# Altium PCB LimeSDR-X3_1v1.PcbDoc (part 2 of 25) (continued)
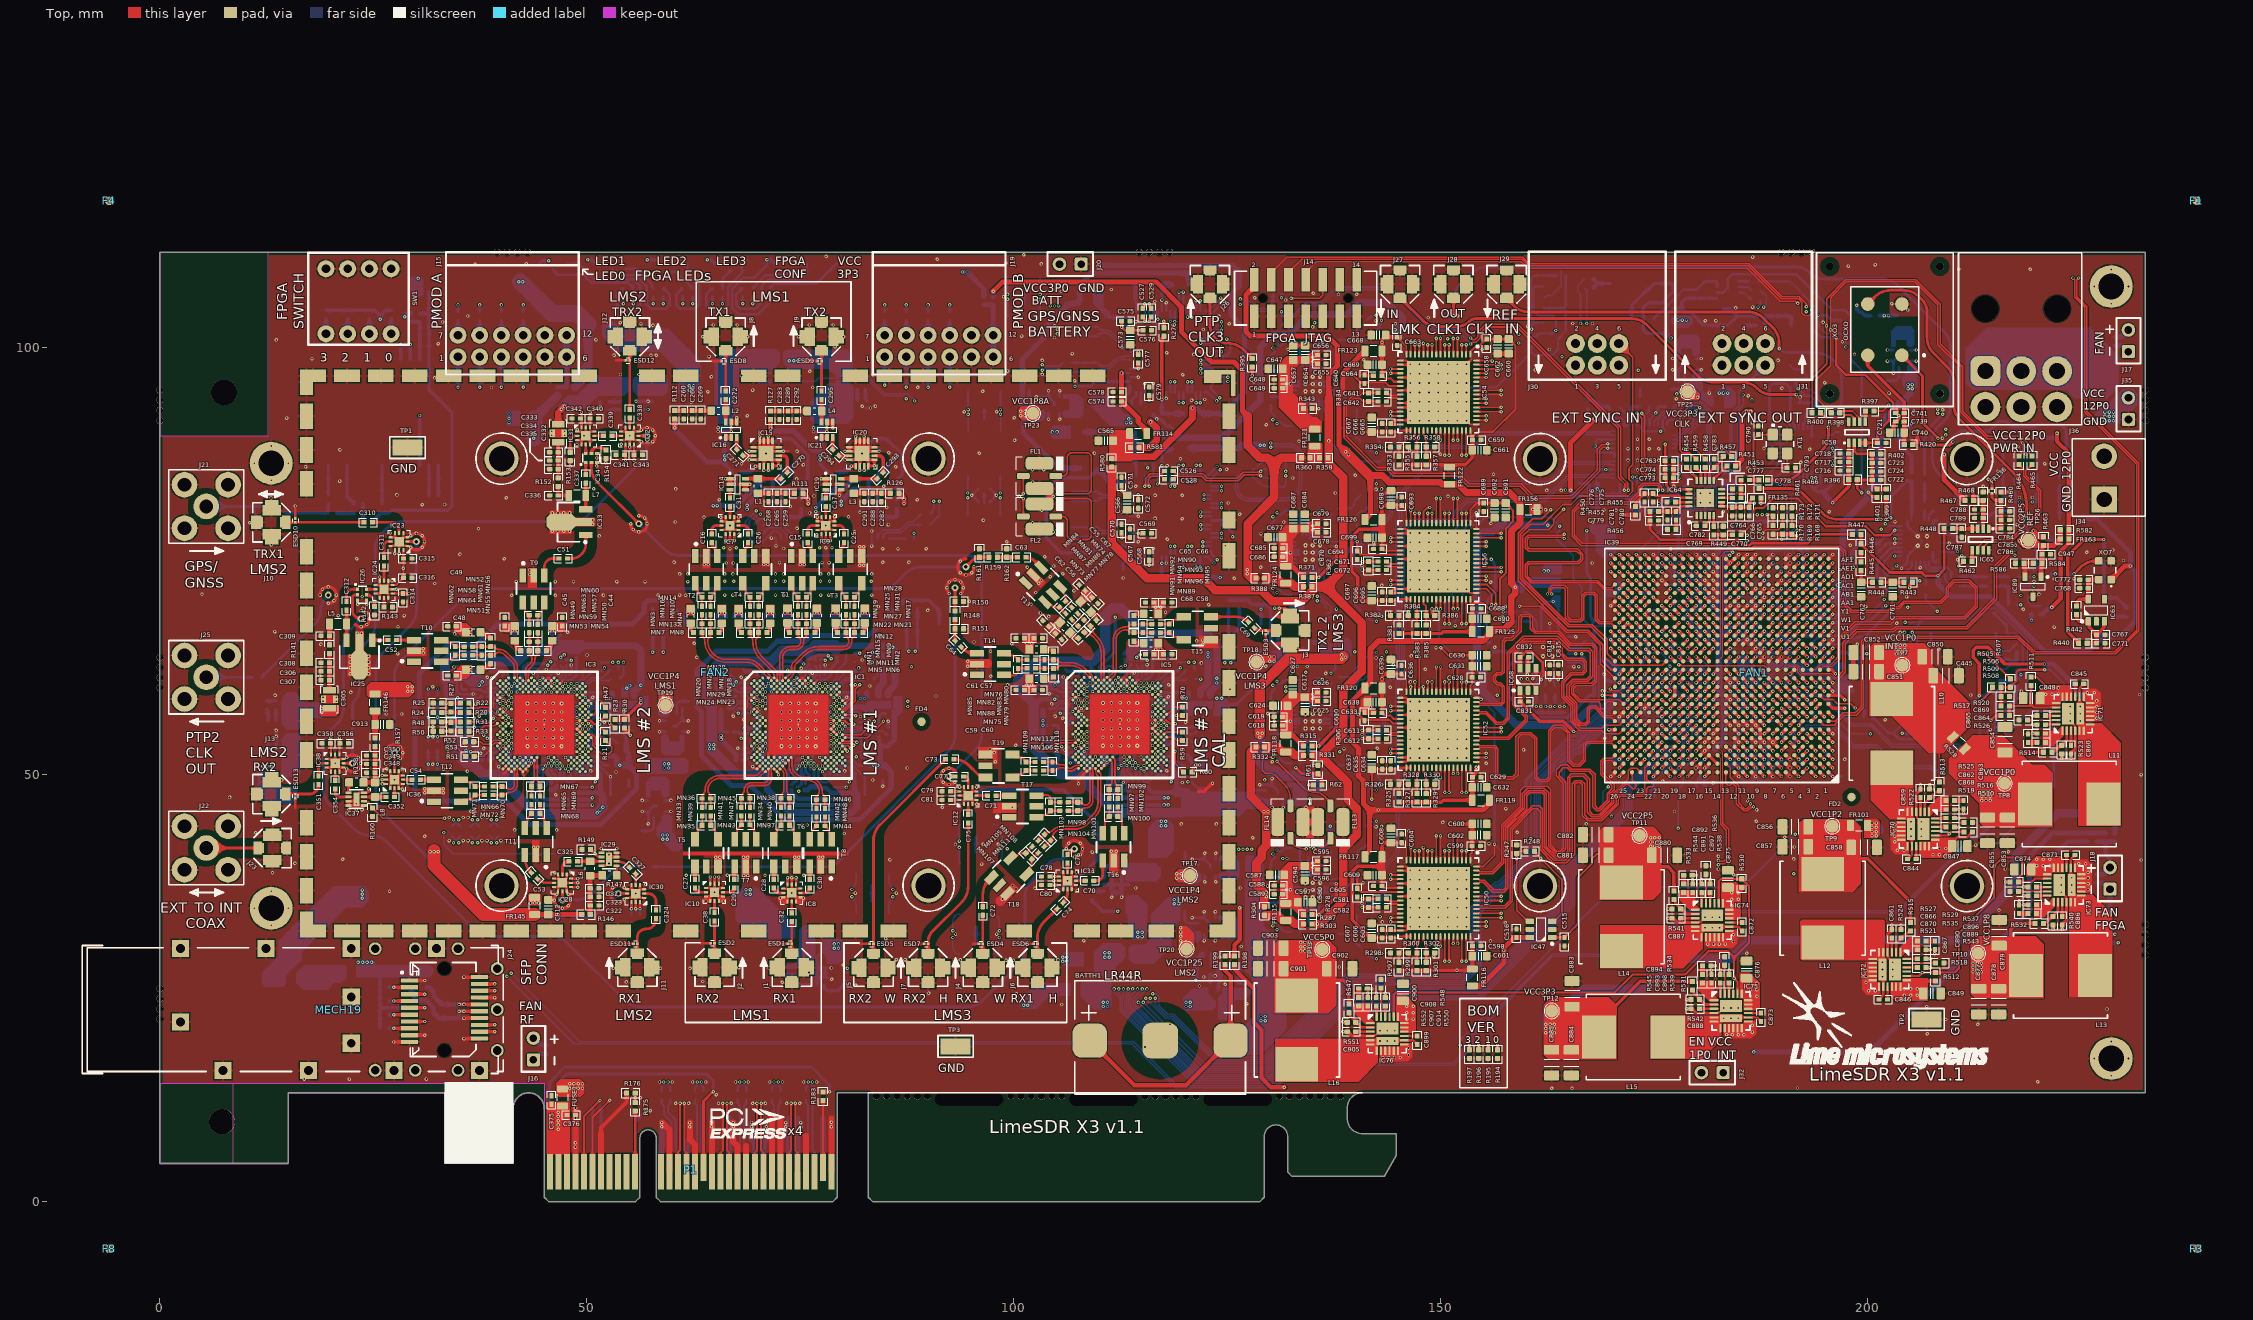
[diagram p0: Top view]
## Components (designator, comment, footprint, x,y, rotation, side; value= is the part's Value field where it differs from the comment) (continued)
C292 "100pF, 50V" CAP0402#2 74.55,92.075 r90 top
C293 "68pF, 25V" CAP0402#2 84.325,85.004 r45 top
C294 "68pF, 25V" CAP0402#2 79.125,87.7 r135 top
C295 "68pF, 25V" CAP0402#2 77.474,94.405 r90 top
C296 "10nF, 50V" CAP0402#1 77.8,86.474 r180 bottom
C297 "1nF, 50V" CAP0402#1 80.278,85.952 r90 bottom
C298 "1uF, 10V" CAP0402#1 82.485,82.404 r0 bottom
C299 "100nF, 16V" CAP0402#1 82.485,81.404 r180 bottom
C300 "2.2pF, 50V" CAP0402#1 82.453,86.452 r180 bottom
C301 "10nF, 50V" CAP0402#1 84.155,88.829 r90 bottom
C302 "100pF, 50V" CAP0402#1 86.8,83.3 r0 bottom
C303 "100nF, 16V" CAP0402#1 84.585,82.119 r0 bottom
C304 "1nF, 50V" CAP0402#1 86.796,80.144 r0 bottom
C305 "470nF, 16V" CAP0805_FEEDTHROUGH 19.854,58.827 r90 top
C306 "1200pF, 50V" CAP0402#2 19.354,62.101 r180 top
C307 "100nF, 16V" CAP0402#2 19.354,61.052 r0 top
C308 "100pF, 50V" CAP0402#2 19.354,63.102 r180 top
C309 "0.018uF, 25V" CAP0402#2 19.354,66.252 r180 top
C310 "100pF, 50V" CAP0402#2 24.397,79.548 r180 top
C311 "100pF, 50V" CAP0402#2 26.229,74.914 r90 top
C312 "100nF, 16V" CAP0402#2 21.854,69.752 r270 top
C313 "10nF, 50V" CAP0402#1 27.504,76.989 r90 bottom
C314 "10nF, 50V" CAP0402#2 28.466,70.707 r270 top
C315 "100pF, 50V" CAP0402#2 29.004,75.314 r180 top
C316 "100pF, 50V" CAP0402#2 29.004,73.039 r180 top
C317 "1uF, 10V" CAP0402#1 14.075,52.554 r0 bottom
C318 "100nF, 16V" CAP0402#1 14.073,58.652 r0 bottom
C319 "2700pF, 50V" CAP0402#1 12.523,58.102 r90 bottom
C320 "100pF, 50V" CAP0402#1 47.8,33.3 r180 bottom
C321 "100pF, 50V" CAP0402#2 50.891,36.682 r0 top
C322 "1uF, 10V" CAP0402#2 50.891,34.682 r180 top
C323 "100pF, 50V" CAP0402#2 50.891,35.682 r0 top
C324 "100pF, 50V" CAP0402#2 58.091,33.657 r270 top
C325 "100pF, 50V" CAP0402#2 48.377,39.851 r0 top
C326 "10nF, 50V" CAP0402#1 47.789,36.826 r180 bottom
C327 "100pF, 50V" CAP0402#2 55.355,38.747 r315 top
C328 "100pF, 50V" CAP0402#1 57.2,39.2 r180 bottom
C329 "10nF, 50V" CAP0402#1 55.209,33.132 r270 bottom
C330 "100pF, 50V" CAP0402#1 47.769,37.826 r0 bottom
C331 "100pF, 50V" CAP0402#1 56.209,33.132 r90 bottom
C332 "470nF, 16V" CAP0805_FEEDTHROUGH 46.636,89.969 r270 top
C333 "100nF, 16V" CAP0402#2 46.136,87.745 r0 top
C334 "1200pF, 50V" CAP0402#2 46.136,86.77 r180 top
C335 "100pF, 50V" CAP0402#2 46.136,85.77 r180 top
C336 "0.018uF, 25V" CAP0402#2 46.136,82.695 r180 top
C337 "100nF, 16V" CAP0402#2 49.861,84.619 r270 top
C338 "100pF, 50V" CAP0402#2 55.011,92.244 r90 top
C339 "100pF, 50V" CAP0402#2 52.436,89.67 r0 top
C340 "10nF, 50V" CAP0402#2 50.861,91.695 r0 top
C341 "10nF, 50V" CAP0402#2 53.911,87.444 r180 top
C342 "100pF, 50V" CAP0402#2 48.761,91.695 r0 top
C343 "100pF, 50V" CAP0402#2 56.011,87.444 r180 top
C344 "1uF, 10V" CAP0402#1 57.658,94.152 r90 bottom
C345 "100nF, 16V" CAP0402#1 51.56,94.15 r90 bottom
C346 "2700pF, 50V" CAP0402#1 52.11,92.6 r180 bottom
C347 "100pF, 50V" CAP0402#1 22.541,56.025 r90 bottom
C348 "100pF, 50V" CAP0402#2 24.691,50.232 r180 top
C349 "1uF, 10V" CAP0402#2 24.691,51.232 r0 top
C350 "100pF, 50V" CAP0402#2 24.691,52.232 r180 top
C351 "100pF, 50V" CAP0402#2 18.575,49.325 r270 top
C352 "100pF, 50V" CAP0402#2 26.966,47.382 r180 top
C353 "10nF, 50V" CAP0402#1 27.176,49.907 r0 bottom
C354 "100pF, 50V" CAP0402#2 20.516,48.807 r90 top
C355 "100pF, 50V" CAP0402#1 27.466,56.025 r270 bottom
C356 "10nF, 50V" CAP0402#2 21.566,53.657 r0 top
C357 "100pF, 50V" CAP0402#1 27.176,48.907 r180 bottom
C358 "100pF, 50V" CAP0402#2 19.466,53.657 r0 top
C359 "100nF, 16V" CAP0402#1 191.65,82.975 r90 bottom
C360 "100nF, 16V" CAP0402#1 192.65,82.975 r90 bottom
C361 "100nF, 16V" CAP0402#1 58.75,12.45 r270 bottom
C362 "100nF, 16V" CAP0402#1 59.75,12.45 r270 bottom
C363 "100nF, 16V" CAP0402#1 76.65,12.45 r90 bottom
C364 "100nF, 16V" CAP0402#1 75.65,12.45 r90 bottom
C365 "100nF, 16V" CAP0402#1 72.65,12.45 r90 bottom
C366 "100nF, 16V" CAP0402#1 71.65,12.45 r90 bottom
C367 "100nF, 16V" CAP0402#1 68.65,12.45 r90 bottom
C368 "100nF, 16V" CAP0402#1 67.65,12.45 r90 bottom
C369 "100nF, 16V" CAP0402#1 63.65,12.45 r90 bottom
C370 "100nF, 16V" CAP0402#1 62.65,12.45 r90 bottom
C371 "100nF, 16V" CAP0402#1 214.509,54.92 r180 bottom
C372 "22nF, 50V" CAP0402#1 48.15,10.3 r0 bottom
C373 "22nF, 50V" CAP0402#1 48.15,11.3 r0 bottom
C374 "22nF, 50V" CAP0402#1 46.55,11.525 r90 bottom
C375 "22nF, 50V" CAP0402#2 45.85,11.9 r90 top
C376 "22nF, 50V" CAP0402#2 48.175,10.15 r0 top
C377 "47uF, 6.3V" CAP1206#1 162.775,23.225 r270 bottom
C378 "4.7uF, 6.3V" CAP0402#1 180.875,69.225 r0 bottom
C379 "100nF, 16V" CAP0402#1 180.875,70.275 r180 bottom
C380 "100nF, 16V" CAP0402#1 186.375,69.775 r90 bottom
C381 "47uF, 6.3V" CAP1206#1 171.375,77.625 r180 bottom
C382 "4.7uF, 6.3V" CAP0402#1 178.375,68.75 r270 bottom
C383 "100nF, 16V" CAP0402#1 177.875,71.3 r0 bottom
C384 "100nF, 16V" CAP0402#1 169.175,75.275 r270 bottom
C385 "100nF, 16V" CAP0402#1 179.375,68.725 r90 bottom
C386 "100nF, 16V" CAP0402#1 172.9,71.25 r180 bottom
C387 "100nF, 16V" CAP0402#1 174.375,74.775 r90 bottom
C388 "100nF, 16V" CAP0402#1 176.375,75.75 r90 bottom
C389 "47uF, 6.3V" CAP1206#1 174.875,46.025 r90 bottom
C390 "4.7uF, 6.3V" CAP0402#1 176.4,53.775 r90 bottom
C391 "100nF, 16V" CAP0402#1 177.375,49.75 r270 bottom
C392 "100nF, 16V" CAP0402#1 175.375,48.884 r0 bottom
C393 "100nF, 16V" CAP0402#1 174.375,53.725 r90 bottom
C394 "100nF, 16V" CAP0402#1 177.4,53.775 r270 bottom
C395 "100nF, 16V" CAP0402#1 180.375,53.8 r270 bottom
C396 "100nF, 16V" CAP0402#1 171.35,50.775 r270 bottom
C397 "47uF, 6.3V" CAP1206#1 198.6,70.725 r180 bottom
C398 "4.7uF, 6.3V" CAP0402#1 189.875,70.325 r0 bottom
C399 "100nF, 16V" CAP0402#1 192.375,71.752 r270 bottom
C400 "100nF, 16V" CAP0402#1 189.875,69.288 r180 bottom
C401 "100nF, 16V" CAP0402#1 194.825,73.288 r180 bottom
C402 "100nF, 16V" CAP0402#1 192.4,65.75 r270 bottom
C403 "100nF, 16V" CAP0402#1 195.4,69.775 r270 bottom
C404 "100nF, 16V" CAP0402#1 192.875,69.288 r0 bottom
C405 "47uF, 6.3V" CAP1206#1 169.575,69.7 r90 bottom
C406 "4.7uF, 6.3V" CAP0402#1 180.875,65.275 r180 bottom
C407 "100nF, 16V" CAP0402#1 180.875,66.3 r0 bottom
C408 "100nF, 16V" CAP0402#1 176.875,66.275 r0 bottom
C409 "100nF, 16V" CAP0402#1 172.875,70.3 r0 bottom
C410 "100nF, 16V" CAP0402#1 172.875,67.275 r180 bottom
C411 "100nF, 16V" CAP0402#1 170.9,65.275 r0 bottom
C412 "100nF, 16V" CAP0402#1 170.375,72.6 r180 bottom
C413 "47uF, 6.3V" CAP1206#1 169.625,62.4 r90 bottom
C414 "4.7uF, 6.3V" CAP0402#1 175.875,65.275 r0 bottom
C415 "100nF, 16V" CAP0402#1 177.875,65.275 r0 bottom
C416 "100nF, 16V" CAP0402#1 171.35,62.8 r90 bottom
C417 "100nF, 16V" CAP0402#1 171.4,57.8 r270 bottom
C418 "100nF, 16V" CAP0402#1 175.9,59.275 r0 bottom
C419 "100nF, 16V" CAP0402#1 172.9,63.05 r180 bottom
C420 "100nF, 16V" CAP0402#1 181,62.95 r45 bottom
C421 "47uF, 6.3V" CAP1206#1 199.6,59.825 r180 bottom
C422 "4.7uF, 6.3V" CAP0402#1 189.9,60.275 r180 bottom
C423 "100nF, 16V" CAP0402#1 196.675,59.375 r270 bottom
C424 "100nF, 16V" CAP0402#1 190.875,66.275 r180 bottom
C425 "100nF, 16V" CAP0402#1 189.9,61.275 r0 bottom
C426 "100nF, 16V" CAP0402#1 191.875,61.275 r0 bottom
C427 "100nF, 16V" CAP0402#1 195.925,64.275 r0 bottom
C428 "100nF, 16V" CAP0402#1 193.9,58.25 r0 bottom
C429 "47uF, 6.3V" CAP1206#1 168.225,51.075 r0 bottom
C430 "4.7uF, 6.3V" CAP0402#1 178.875,61.25 r180 bottom
C431 "100nF, 16V" CAP0402#1 178.875,60.25 r0 bottom
C432 "100nF, 16V" CAP0402#1 170.7,54.775 r0 bottom
C433 "100nF, 16V" CAP0402#1 174.775,56.925 r180 bottom
C434 "100nF, 16V" CAP0402#1 173.375,54.775 r270 bottom
C435 "100nF, 16V" CAP0402#1 182.425,58.175 r270 bottom
C436 "100nF, 16V" CAP0402#1 177.875,58.275 r180 bottom
C437 "47uF, 6.3V" CAP1206#1 198.4,49.775 r180 bottom
C438 "4.7uF, 6.3V" CAP0402#1 190.825,55.275 r180 bottom
C439 "100nF, 16V" CAP0402#1 191.375,64.775 r270 bottom
C440 "100nF, 16V" CAP0402#1 194.875,50.25 r180 bottom
C441 "100nF, 16V" CAP0402#1 193.9,57.25 r0 bottom
C442 "100nF, 16V" CAP0402#1 195.875,52.275 r0 bottom
C443 "100nF, 16V" CAP0402#1 190.825,54.275 r0 bottom
C444 "100nF, 16V" CAP0402#1 192.875,51.25 r0 bottom
C445 "220uF, 4V" CAP1206#2 209.15,61.575 r180 top
C446 "220uF, 4V" CAP1206#1 203.15,61.675 r90 bottom
C447 "47uF, 6.3V" CAP1206#1 181.925,78.6 r270 bottom
C448 "4.7uF, 6.3V" CAP0402#1 184.85,57.285 r180 bottom
C449 "100nF, 16V" CAP0402#1 186.9,59.262 r0 bottom
C450 "100nF, 16V" CAP0402#1 185.85,65.275 r0 bottom
C451 "100nF, 16V" CAP0402#1 187.875,60.3 r0 bottom
C452 "100nF, 16V" CAP0402#1 186.875,58.25 r0 bottom
C453 "100nF, 16V" CAP0402#1 184.375,67.775 r90 bottom
C454 "100nF, 16V" CAP0402#1 184.85,58.25 r0 bottom
C455 "100nF, 16V" CAP0402#1 184.875,59.242 r0 bottom
C456 "100nF, 16V" CAP0402#1 187.85,65.275 r0 bottom
C457 "100nF, 16V" CAP0402#1 186.85,64.275 r180 bottom
C458 "100nF, 16V" CAP0402#1 187.9,61.25 r0 bottom
C459 "100nF, 16V" CAP0402#1 184.875,66.275 r0 bottom
C460 "100nF, 16V" CAP0402#1 187.875,67.25 r0 bottom
C461 "100nF, 16V" CAP0402#1 185.85,67.275 r0 bottom
C462 "47uF, 6.3V" CAP1206#1 198.525,62.8 r180 bottom
C463 "4.7uF, 6.3V" CAP0402#1 190.375,63.775 r270 bottom
C464 "100nF, 16V" CAP0402#1 186.9,66.275 r180 bottom
C465 "100nF, 16V" CAP0402#1 188.875,58.276 r0 bottom
C466 "100nF, 16V" CAP0402#1 188.875,59.275 r0 bottom
C467 "100nF, 16V" CAP0402#1 188.875,66.275 r0 bottom
C468 "100nF, 16V" CAP0402#1 189.4,64.775 r90 bottom
C469 "47uF, 6.3V" CAP1206#1 184.275,78.55 r270 bottom
C470 "47uF, 6.3V" CAP1206#1 182.15,51.391 r90 bottom
C471 "4.7uF, 6.3V" CAP0402#1 185.375,68.775 r90 bottom
C472 "100nF, 16V" CAP0402#1 181.875,67.301 r180 bottom
C473 "100nF, 16V" CAP0402#1 184.375,69.788 r90 bottom
C474 "100nF, 16V" CAP0402#1 183.35,64.775 r90 bottom
C475 "100nF, 16V" CAP0402#1 184.85,64.325 r0 bottom
C476 "4.7uF, 6.3V" CAP0402#1 187.4,52.75 r90 bottom
C477 "100nF, 16V" CAP0402#1 187.9,55.25 r0 bottom
C478 "100nF, 16V" CAP0402#1 188.875,72.288 r0 bottom
C479 "100nF, 16V" CAP0402#1 185.9,71.3 r0 bottom
C480 "100nF, 16V" CAP0402#1 186.4,52.75 r270 bottom
C481 "100nF, 16V" CAP0402#1 185.825,55.275 r0 bottom
C482 "100nF, 16V" CAP0402#1 184.362,54.798 r90 bottom
C483 "100nF, 16V" CAP0402#1 187.4,70.775 r270 bottom
C484 "100nF, 16V" CAP0402#1 188.9,53.25 r0 bottom
C485 "100nF, 16V" CAP0402#1 188.875,52.275 r0 bottom
C486 "100nF, 16V" CAP0402#1 186.875,54.275 r180 bottom
C487 "4.7uF, 6.3V" CAP0402#1 179.875,50.275 r0 bottom
C488 "100nF, 16V" CAP0402#1 185.875,75.25 r180 bottom
C489 "100nF, 16V" CAP0402#1 181.375,73.775 r270 bottom
C490 "100nF, 16V" CAP0402#1 185.375,49.75 r270 bottom
C491 "100nF, 16V" CAP0402#1 187.35,49.75 r270 bottom
C492 "100nF, 16V" CAP0402#1 189.375,50.725 r270 bottom
C493 "100nF, 16V" CAP0402#1 189.375,74.75 r90 bottom
C494 "100nF, 16V" CAP0402#1 179.127,77.007 r90 bottom
C495 "100nF, 16V" CAP0402#1 180.225,77.025 r90 bottom
C496 "100nF, 16V" CAP0402#1 186.375,49.75 r270 bottom
C497 "100nF, 16V" CAP0402#1 201.975,43.6 r0 bottom
C498 "100nF, 16V" CAP0402#1 188.4,49.75 r270 bottom
C499 "100nF, 16V" CAP0402#1 190.375,50.725 r270 bottom
C500 "1uF, 10V" CAP0402#1 183.375,60.775 r270 bottom
C501 "100nF, 16V" CAP0402#1 184.375,60.775 r90 bottom
C502 "100nF, 16V" CAP0402#1 132.014,69.911 r180 bottom
C503 "100nF, 16V" CAP0402#1 47.111,96.4 r180 bottom
C504 "22nF, 50V" CAP0402#1 226.75,37.8 r270 bottom
C505 "22nF, 50V" CAP0402#1 45.314,17.825 r270 bottom
C506 "22nF, 50V" CAP0402#1 228.911,100.748 r270 bottom
C507 "22nF, 50V" CAP0402#1 228.325,41.125 r0 bottom
C508 "100nF, 16V" CAP0402#1 158.489,97.836 r180 bottom
C509 "100nF, 16V" CAP0402#1 97.07,103.97 r180 bottom
C510 "100nF, 16V" CAP0402#1 164.838,104.615 r0 bottom
C511 "22pF, 50V" CAP0402#1 21.725,80.125 r90 bottom
C512 "1uF, 10V" CAP0402#1 32.025,104 r180 bottom
C513 "10uF, 6.3V" CAP0603#1 32.375,105.225 r180 bottom
C514 "100pF, 50V" CAP0402#1 19.7,82.225 r90 bottom
C515 "100nF, 16V" CAP0402#2 164.475,30.425 r90 top
C516 "100nF, 16V" CAP0402#2 158.833,31.422 r90 top
C517 "100nF, 16V" CAP0402#1 29.925,102 r180 bottom
C518 "100nF, 16V" CAP0402#1 32.025,103 r180 bottom
C519 "100pF, 50V" CAP0402#1 32.025,102 r0 bottom
C520 "100pF, 50V" CAP0402#1 108.852,78.402 r90 bottom
C521 "100pF, 50V" CAP0402#1 108.852,97.679 r90 bottom
C522 "100pF, 50V" CAP0402#1 108.852,82.602 r90 bottom
C523 "100pF, 50V" CAP0402#1 108.852,101.877 r90 bottom
C524 "1uF, 10V" CAP0402#1 114.827,73.527 r90 bottom
C525 "1uF, 10V" CAP0402#1 114.827,92.802 r90 bottom
C526 "100nF, 16V" CAP0402#2 118.15,85.564 r0 top
C527 "100nF, 16V" CAP0402#2 115.078,104.103 r90 top
C528 "100nF, 16V" CAP0402#2 118.15,84.577 r0 top
C529 "100nF, 16V" CAP0402#2 116.078,104.103 r90 top
C530 "22uF, 10V" CAP0603#1 122.941,87.401 r90 bottom
C531 "22uF, 10V" CAP0603#1 106.428,86.728 r270 bottom
C532 "22uF, 10V" CAP0603#1 121.354,108.725 r180 bottom
C533 "22uF, 10V" CAP0603#1 106.428,106.003 r270 bottom
C534 "10uF, 16V" CAP0603#1 116.497,88.059 r0 bottom
C535 "1uF, 10V" CAP0402#1 117.927,86.752 r180 bottom
C536 "100nF, 16V" CAP0402#1 124.827,79.752 r180 bottom
C537 "10uF, 16V" CAP0603#1 111.202,85.227 r270 bottom
C538 "1uF, 10V" CAP0402#1 111.352,76.252 r90 bottom
C539 "100nF, 16V" CAP0402#1 112.452,84.752 r270 bottom
C540 "100nF, 16V" CAP0402#1 112.352,76.252 r90 bottom
C541 "10uF, 16V" CAP0603#1 116.534,107.371 r0 bottom
C542 "1uF, 10V" CAP0402#1 117.928,106.022 r180 bottom
C543 "100nF, 16V" CAP0402#1 125.327,98.953 r180 bottom
C544 "10uF, 16V" CAP0603#1 110.302,103.827 r0 bottom
C545 "1uF, 10V" CAP0402#1 111.353,95.528 r90 bottom
C546 "100nF, 16V" CAP0402#1 112.453,104.028 r270 bottom
C547 "100nF, 16V" CAP0402#1 112.366,95.528 r90 bottom
C548 "22uF, 10V" CAP0603#1 110.952,89.252 r90 bottom
C549 "22uF, 10V" CAP0603#1 122.854,72.227 r90 bottom
C550 "22uF, 10V" CAP0603#1 127.225,108.85 r180 bottom
C551 "22uF, 10V" CAP0603#1 123.4,91.415 r90 bottom
C552 "10uF, 16V" CAP0603#1 118.527,72.227 r90 bottom
C553 "1uF, 10V" CAP0402#1 116.827,73.077 r0 bottom
C554 "100nF, 16V" CAP0402#1 116.828,74.078 r0 bottom
C555 "10uF, 16V" CAP0603#1 113.377,88.552 r0 bottom
C556 "1uF, 10V" CAP0402#1 113.727,87.352 r0 bottom
C557 "100nF, 16V" CAP0402#1 113.727,86.352 r0 bottom
C558 "10uF, 16V" CAP0603#1 118.527,91.415 r90 bottom
C559 "1uF, 10V" CAP0402#1 116.802,92.227 r0 bottom
C560 "100nF, 16V" CAP0402#1 116.802,93.302 r0 bottom
C561 "10uF, 16V" CAP0603#1 111.835,106.85 r90 bottom
C562 "1uF, 10V" CAP0402#1 113.727,106.627 r0 bottom
C563 "100nF, 16V" CAP0402#1 113.728,105.627 r0 bottom
C564 "22uF, 10V" CAP0603#1 109.527,89.252 r90 bottom
C565 "22uF, 10V" CAP0603#2 110.75,89.1 r0 top
C566 "10uF, 16V" CAP0603#2 113.25,81.875 r90 top
C567 "1uF, 10V" CAP0402#2 113.6,78.275 r270 top
C568 "100nF, 16V" CAP0402#2 115.828,75.597 r270 top
C569 "100nF, 16V" CAP0402#2 115.622,78.253 r180 top
C570 "100nF, 16V" CAP0402#2 112.603,78.822 r270 top
C571 "100nF, 16V" CAP0402#2 112.603,84.322 r270 top
C572 "100nF, 16V" CAP0402#2 114.553,81.684 r90 top
C573 "10uF, 16V" CAP0603#2 113.625,101.175 r90 top
C574 "1uF, 10V" CAP0402#2 112.106,93.697 r0 top
C575 "100nF, 16V" CAP0402#2 113.103,103.097 r180 top
C576 "100nF, 16V" CAP0402#2 115.622,102.028 r180 top
C577 "100nF, 16V" CAP0402#2 114.553,98.697 r270 top
C578 "100nF, 16V" CAP0402#2 112.1,94.8 r0 top
C579 "100nF, 16V" CAP0402#2 115.828,94.872 r270 top
C580 "100nF, 16V" CAP0402#2 140.2,36.175 r90 top
C581 "100nF, 16V" CAP0402#2 143.134,35.452 r180 top
C582 "100nF, 16V" CAP0402#2 143.134,34.452 r180 top
C583 "100nF, 16V" CAP0402#1 138.825,36.15 r0 bottom
C584 "4.7pF, 50V" CAP0402#1 139.569,30.093 r225 bottom
C585 "22pF, 50V" CAP0402#1 139.781,31.719 r45 bottom
C586 "4.7pF, 50V" CAP0402#1 141.407,31.931 r225 bottom
C587 "10uF, 16V" CAP0603#2 130.8,38.25 r0 top
C588 "100nF, 16V" CAP0402#2 130.975,37.01 r180 top
C589 "100nF, 16V" CAP0402#2 130.975,36.004 r180 top
C590 "100nF, 16V" CAP0402#1 135.725,41.925 r90 bottom
C591 "4.7pF, 50V" CAP0402#1 141.407,41.069 r315 bottom
C592 "22pF, 50V" CAP0402#1 139.781,41.281 r135 bottom
C593 "4.7pF, 50V" CAP0402#1 139.569,42.907 r315 bottom
C594 "10uF, 16V" CAP0603#2 134.075,38.45 r90 top
C595 "100nF, 16V" CAP0402#2 136.05,39.875 r0 top
C596 "100nF, 16V" CAP0402#2 136.05,38.875 r0 top
C597 "22uF, 10V" CAP0603#2 134.1,35.05 r180 top
C598 "100nF, 16V" CAP0402#2 154.175,29.95 r180 top
C599 "100nF, 16V" CAP0402#2 154.15,41.65 r180 top
C600 "22uF, 10V" CAP0603#2 154.5,44.225 r180 top
C601 "22uF, 10V" CAP0603#2 154.525,28.75 r180 top
C602 "10uF, 6.3V" CAP0603#2 154.5,42.925 r0 top
C603 "100nF, 16V" CAP0402#2 144.125,31.375 r270 top
C604 "100nF, 16V" CAP0402#2 145.4,42.525 r270 top
C605 "100nF, 16V" CAP0402#2 142.6,36.95 r0 top
C606 "100nF, 16V" CAP0402#2 143.125,31.375 r270 top
C607 "22uF, 10V" CAP0603#2 141.9,31.725 r270 top
C608 "22uF, 10V" CAP0603#2 144.15,42.875 r270 top
C609 "10uF, 6.3V" CAP0603#2 142.25,38.225 r180 top
C610 "100nF, 16V" CAP0402#2 141.05,56.8 r270 top
C611 "100nF, 16V" CAP0402#2 143.134,55.202 r180 top
C612 "100nF, 16V" CAP0402#2 143.134,54.202 r180 top
C613 "100nF, 16V" CAP0402#1 138.825,55.9 r0 bottom
C614 "4.7pF, 50V" CAP0402#1 139.569,49.843 r225 bottom
C615 "22pF, 50V" CAP0402#1 139.781,51.469 r45 bottom
C616 "4.7pF, 50V" CAP0402#1 141.407,51.681 r225 bottom
C617 "10uF, 16V" CAP0603#2 134.075,58.2 r90 top
C618 "100nF, 16V" CAP0402#2 130.975,55.754 r180 top
C619 "100nF, 16V" CAP0402#2 130.975,56.76 r180 top
C620 "100nF, 16V" CAP0402#1 135.55,61.675 r90 bottom
C621 "4.7pF, 50V" CAP0402#1 141.407,60.819 r315 bottom
C622 "22pF, 50V" CAP0402#1 139.781,61.031 r135 bottom
C623 "4.7pF, 50V" CAP0402#1 139.553,62.642 r315 bottom
C624 "10uF, 16V" CAP0603#2 131.175,58.05 r0 top
C625 "100nF, 16V" CAP0402#2 136.05,58.625 r0 top
C626 "100nF, 16V" CAP0402#2 136.05,59.625 r0 top
C627 "22uF, 10V" CAP0603#2 132.65,60.225 r270 top
C628 "100nF, 16V" CAP0402#2 154.15,61.4 r180 top
C629 "100nF, 16V" CAP0402#2 154.175,49.7 r180 top
C630 "22uF, 10V" CAP0603#2 154.5,63.975 r180 top
C631 "22uF, 10V" CAP0603#2 154.5,62.675 r180 top
C632 "10uF, 6.3V" CAP0603#2 154.525,48.5 r0 top
C633 "100nF, 16V" CAP0402#2 142.6,57.2 r0 top
C634 "100nF, 16V" CAP0402#2 144.125,51.125 r270 top
C635 "100nF, 16V" CAP0402#2 143.125,51.125 r270 top
C636 "100nF, 16V" CAP0402#2 145.375,62.275 r270 top
C637 "22uF, 10V" CAP0603#2 141.9,51.475 r270 top
C638 "22uF, 10V" CAP0603#2 142.25,58.475 r0 top
C639 "10uF, 6.3V" CAP0603#2 144.15,62.625 r90 top
C640 "100nF, 16V" CAP0402#2 141.05,96.3 r270 top
C641 "100nF, 16V" CAP0402#2 143.134,94.702 r180 top
C642 "100nF, 16V" CAP0402#2 143.134,93.702 r180 top
C643 "4.7pF, 50V" CAP0402#1 139.569,89.343 r225 bottom
C644 "100nF, 16V" CAP0402#1 138.825,95.4 r0 bottom
C645 "22pF, 50V" CAP0402#1 139.781,90.969 r45 bottom
C646 "4.7pF, 50V" CAP0402#1 141.407,91.181 r225 bottom
C647 "10uF, 16V" CAP0603#2 130.625,97.525 r0 top
C648 "100nF, 16V" CAP0402#2 130.975,96.26 r180 top
C649 "100nF, 16V" CAP0402#2 130.975,95.254 r180 top
C650 "100nF, 16V" CAP0402#1 135.55,101.175 r90 bottom
C651 "4.7pF, 50V" CAP0402#1 141.399,100.31 r315 bottom
C652 "22pF, 50V" CAP0402#1 139.772,100.522 r135 bottom
C653 "4.7pF, 50V" CAP0402#1 139.56,102.149 r315 bottom
C654 "10uF, 16V" CAP0603#2 134.125,99.4 r270 top
C655 "100nF, 16V" CAP0402#2 136.05,98.125 r0 top
C656 "100nF, 16V" CAP0402#2 136.05,99.125 r0 top
C657 "22uF, 10V" CAP0603#2 132.725,99.4 r270 top
C658 "100nF, 16V" CAP0402#2 155.35,100.5 r90 top
C659 "100nF, 16V" CAP0402#2 154.175,89.2 r180 top
C660 "22uF, 10V" CAP0603#2 157.925,100.15 r90 top
C661 "22uF, 10V" CAP0603#2 154.525,88 r180 top
C662 "10uF, 6.3V" CAP0603#2 156.625,100.15 r270 top
C663 "100nF, 16V" CAP0402#2 144.875,100.725 r90 top
C664 "100nF, 16V" CAP0402#2 142.6,96.7 r0 top
C665 "100nF, 16V" CAP0402#2 144.125,90.625 r270 top
C666 "100nF, 16V" CAP0402#2 143.125,90.625 r270 top
C667 "22uF, 10V" CAP0603#2 141.9,90.975 r270 top
C668 "22uF, 10V" CAP0603#2 142.675,101.475 r0 top
C669 "10uF, 6.3V" CAP0603#2 142.25,97.975 r180 top
C670 "100nF, 16V" CAP0402#2 140.199,75.676 r90 top
C671 "100nF, 16V" CAP0402#2 143.134,74.952 r180 top
C672 "100nF, 16V" CAP0402#2 143.134,73.952 r180 top
C673 "100nF, 16V" CAP0402#1 138.725,76.075 r90 bottom
C674 "4.7pF, 50V" CAP0402#1 139.569,69.593 r225 bottom
C675 "22pF, 50V" CAP0402#1 139.781,71.219 r45 bottom
C676 "4.7pF, 50V" CAP0402#1 141.407,71.431 r225 bottom
C677 "10uF, 16V" CAP0603#2 130.6,77.812 r0 top
C678 "100nF, 16V" CAP0402#2 136.05,78.375 r0 top
C679 "100nF, 16V" CAP0402#2 136.05,79.375 r0 top
C680 "100nF, 16V" CAP0402#1 135.55,81.425 r90 bottom
C681 "4.7pF, 50V" CAP0402#1 141.407,80.569 r315 bottom
C682 "22pF, 50V" CAP0402#1 139.781,80.781 r135 bottom
C683 "4.7pF, 50V" CAP0402#1 139.569,82.407 r315 bottom
C684 "10uF, 16V" CAP0603#2 134.075,79.65 r270 top
C685 "100nF, 16V" CAP0402#2 130.975,76.51 r180 top
C686 "100nF, 16V" CAP0402#2 130.975,75.504 r180 top
C687 "22uF, 10V" CAP0603#2 132.7,79.65 r270 top
C688 "100nF, 16V" CAP0402#2 154.175,69.45 r180 top
C689 "100nF, 16V" CAP0402#2 155,81.3 r90 top
C690 "22uF, 10V" CAP0603#2 154.525,68.25 r180 top
C691 "22uF, 10V" CAP0603#2 157.575,80.95 r90 top
C692 "10uF, 6.3V" CAP0603#2 156.275,80.95 r270 top
C693 "100nF, 16V" CAP0402#2 145.4,82.025 r270 top
C694 "100nF, 16V" CAP0402#2 142.6,76.425 r0 top
C695 "100nF, 16V" CAP0402#2 144.125,70.875 r270 top
C696 "100nF, 16V" CAP0402#2 143.125,70.875 r270 top
C697 "22uF, 10V" CAP0603#2 141.9,71.225 r270 top
C698 "22uF, 10V" CAP0603#2 144.15,82.375 r270 top
C699 "10uF, 6.3V" CAP0603#2 142.25,77.725 r180 top
C700 "100nF, 16V" CAP0402#1 27.7,27.625 r270 bottom
C701 "1uF, 10V" CAP0402#1 26.45,27.625 r270 bottom
C702 "1uF, 10V" CAP0402#1 33.875,20.975 r90 bottom
C703 "100nF, 16V" CAP0402#1 35.022,20.975 r90 bottom
C704 "22uF, 10V" CAP0603#1 32.675,20.65 r90 bottom
C705 "100nF, 16V" CAP0402#1 34.35,23.591 r270 bottom
C706 "22uF, 10V" CAP0603#1 33.1,23.925 r270 bottom
C707 "22uF, 10V" CAP0603#1 18,28.05 r270 bottom
C708 "22uF, 10V" CAP0603#1 19.6,28.05 r270 bottom
C709 "22uF, 10V" CAP0603#1 12.95,25.15 r90 bottom
C710 "22uF, 10V" CAP0603#1 22.775,34.15 r90 bottom
C711 "100nF, 16V" CAP0402#1 190.65,83.475 r90 bottom
C712 "100nF, 16V" CAP0402#1 193.2,93.025 r270 bottom
C713 "100nF, 16V" CAP0402#1 188.55,84.225 r0 bottom
C714 "100nF, 16V" CAP0402#1 197.25,87.975 r180 bottom
C715 "100nF, 16V" CAP0402#1 193.7,82.975 r90 bottom
C716 "1uF, 10V" CAP0402#2 197.25,85.61 r0 top
C717 "100nF, 16V" CAP0402#2 197.25,86.61 r180 top
C718 "100pF, 50V" CAP0402#2 197.25,87.61 r180 top
C719 "100nF, 16V" CAP0402#1 187.975,91.8 r0 bottom
C720 "1uF, 10V" CAP0402#1 190.425,94.65 r0 bottom
C721 "1nF, 50V" CAP0402#2 201.6,88.839 r0 top
C722 "1uF, 10V" CAP0402#2 201,84.5 r180 top
C723 "100nF, 16V" CAP0402#2 201,86.5 r0 top
C724 "100nF, 16V" CAP0402#2 201,85.5 r0 top
C725 "100nF, 16V" CAP0402#1 181.575,103.102 r270 bottom
C726 "100nF, 16V" CAP0402#1 192.775,95.6 r90 bottom
C727 "1uF, 10V" CAP0402#1 189.025,104.2 r270 bottom
C728 "100nF, 16V" CAP0402#1 190.025,104.2 r270 bottom
C729 "10nF, 50V" CAP0402#1 191.025,104.2 r90 bottom
C730 "1uF, 10V" CAP0402#1 179.096,105.3 r90 bottom
C731 "100nF, 16V" CAP0402#1 180.096,105.3 r270 bottom
C732 "100pF, 50V" CAP0402#1 181.096,105.3 r270 bottom
C733 "22uF, 10V" CAP0603#1 191.9,92.675 r90 bottom
C734 "22uF, 10V" CAP0603#1 190,92.675 r270 bottom
C735 "100nF, 16V" CAP0402#1 177.725,107.5 r180 bottom
C736 "1nF, 50V" CAP0402#1 180.925,108.25 r90 bottom
C737 "100nF, 16V" CAP0402#1 206.625,84.65 r90 bottom
C738 "100nF, 16V" CAP0402#1 206.625,81.45 r90 bottom
C739 "100nF, 16V" CAP0402#2 203.75,91.35 r0 top
C740 "10uF, 16V" CAP0603#2 203.4,90.05 r0 top
C741 "100pF, 50V" CAP0402#2 203.75,92.35 r180 top
C742 "100nF, 16V" CAP0402#1 208.175,80.9 r180 bottom
C743 "100nF, 16V" CAP0402#1 214.55,72.075 r0 bottom
C744 "100nF, 16V" CAP0402#1 210.25,72.075 r0 bottom
C745 "100nF, 16V" CAP0402#1 214.55,73.175 r0 bottom
C746 "100nF, 16V" CAP0402#1 210.25,73.175 r0 bottom
C747 "100nF, 16V" CAP0402#1 228.126,72.849 r180 bottom
C748 "1uF, 10V" CAP0402#1 228.126,73.996 r180 bottom
C749 "2.2uF, 16V" CAP0402#1 204.616,82.9 r0 bottom
C750 "100nF, 16V" CAP0402#1 204.616,81.9 r0 bottom
C751 "100pF, 50V" CAP0402#1 204.616,80.9 r0 bottom
C752 "100pF, 50V" CAP0402#1 210,77.6 r90 bottom
C753 "100pF, 50V" CAP0402#1 210,75.5 r90 bottom
C754 "2.2uF, 16V" CAP0402#1 200.209,76.6 r90 bottom
C755 "100nF, 16V" CAP0402#1 201.225,76.6 r90 bottom
C756 "100pF, 50V" CAP0402#1 202.725,73.35 r180 bottom
C757 "100pF, 50V" CAP0402#1 202.225,77.6 r90 bottom
C758 "1uF, 10V" CAP0402#1 222.936,82.71 r180 bottom
C759 "100nF, 16V" CAP0402#1 222.936,81.71 r180 bottom
C760 "18nF, 16V" CAP0402#1 220.875,76.95 r90 bottom
C761 "10uF, 6.3V" CAP0603#2 202.9,71.675 r270 top
C762 "10uF, 6.3V" CAP0603#2 199.2,71.675 r270 top
C763 "100nF, 16V" CAP0402#2 176.75,86.75 r180 top
C764 "100nF, 16V" CAP0402#2 184.1,80.8 r90 top
C765 "100pF, 50V" CAP0402#2 186.1,80.8 r270 top
C766 "100pF, 50V" CAP0402#2 185.1,80.8 r270 top
C767 "100nF, 16V" CAP0402#2 227.277,66.377 r180 top
C768 "100nF, 16V" CAP0402#2 225.302,71.827 r0 top
C769 "100pF, 50V" CAP0402#2 181.95,78.575 r270 top
C770 "100pF, 50V" CAP0402#2 184.65,78.075 r0 top
C771 "1uF, 10V" CAP0402#2 227.277,65.377 r180 top
C772 "1uF, 10V" CAP0402#2 225.302,72.827 r0 top
C773 "100pF, 50V" CAP0402#2 176.75,84.75 r0 top
C774 "100pF, 50V" CAP0402#2 176.75,85.75 r0 top
C775 "100pF, 50V" CAP0402#2 174.861,82.415 r90 top
C776 "100nF, 16V" CAP0402#2 173.836,82.415 r270 top
C777 "1nF, 50V" CAP0402#2 184.65,82.4 r180 top
C778 "1nF, 50V" CAP0402#2 185.65,84.5 r180 top
C779 "22pF, 50V" CAP0402#2 174.986,79.765 r180 top
C780 "22pF, 50V" CAP0402#2 177.536,80.315 r90 top
C781 "22pF, 50V" CAP0402#2 176.536,80.315 r90 top
C782 "220pF, 10%" CAP0402#2 180.4,79.125 r180 top
C783 "10pF, 25V" CAP0402#2 182,86.45 r270 top
C784 "1uF, 10V" CAP0402#2 216.099,80.825 r180 top
C785 "100nF, 16V" CAP0402#2 216.099,79.825 r0 top
C786 "100pF, 50V" CAP0402#2 216.099,78.825 r0 top
C787 "1nF, 50V" CAP0402#2 210.974,78.3 r270 top
C788 "1uF, 10V" CAP0402#2 212.999,81.05 r0 top
C789 "100nF, 16V" CAP0402#2 212.999,80.05 r180 top
C790 "10pF, 25V" CAP0402#2 187.165,90.31 r270 top
C791 "100nF, 16V" CAP0402#1 155.697,64.9 r90 bottom
C792 "100nF, 16V" CAP0402#1 158.404,64.4 r180 bottom
C793 "10pF, 25V" CAP0402#2 191.039,85.936 r180 top
C794 "100nF, 16V" CAP0402#1 158.404,65.4 r0 bottom
C795 "100nF, 16V" CAP0402#1 167.95,67.35 r90 bottom
C796 "100nF, 16V" CAP0402#1 167.45,64.65 r0 bottom
C797 "100nF, 16V" CAP0402#1 166.925,66.175 r270 bottom
C798 "47pF, 50V" CAP0402#1 164.45,57.776 r90 bottom
C799 "47pF, 50V" CAP0402#1 163.35,57.776 r90 bottom
C800 "47pF, 50V" CAP0402#1 162.25,57.776 r90 bottom
C801 "47pF, 50V" CAP0402#1 161.15,57.776 r90 bottom
C802 "22nF, 50V" CAP0402#1 173.795,95.189 r0 bottom
C803 "68pF, 25V" CAP0402#1 172.235,93.589 r90 bottom
C804 "47pF, 50V" CAP0402#1 157.089,67.943 r0 bottom
C805 "47pF, 50V" CAP0402#1 157.089,69.043 r0 bottom
C806 "100nF, 16V" CAP0402#1 176.435,93.589 r270 bottom
C807 "10uF, 6.3V" CAP0603#1 171.01,93.789 r90 bottom
C808 "1uF, 10V" CAP0402#1 174.345,93.589 r90 bottom
C809 "2.2uF, 16V" CAP0402#1 167.45,60.45 r0 bottom
C810 "100nF, 16V" CAP0402#1 158.954,62.65 r90 bottom
C811 "100pF, 50V" CAP0402#1 167.45,61.45 r0 bottom
C812 "2.2uF, 16V" CAP0402#1 164.239,69.015 r180 bottom
C813 "100nF, 16V" CAP0402#1 162.139,69.24 r180 bottom
C814 "100pF, 50V" CAP0402#2 162.75,62.354 r270 top
C815 "100pF, 50V" CAP0402#2 163.75,62.354 r270 top
C816 "100pF, 50V" CAP0402#1 162.139,68.24 r180 bottom
C817 "100pF, 50V" CAP0402#1 164.239,68.015 r180 bottom
C818 "10uF, 6.3V" CAP0603#1 169.56,81.844 r270 bottom
C819 "1uF, 10V" CAP0402#1 167.793,85.753 r180 bottom
C820 "1uF, 10V" CAP0402#1 179.374,88.725 r0 bottom